# Altium PCB Generic_PCB.PcbDoc (part 1 of 2)
Units mm, origin at the board's own origin, x right, y up, seen from the top; angles counter-clockwise.
Board outline 112.55 x 100 mm, 4 copper layers (Component Side, Ground Plane, Power Plane, Solder Side), stack 0.844 mm thick; 115 components, 86 nets, 591 pads, 337 vias.
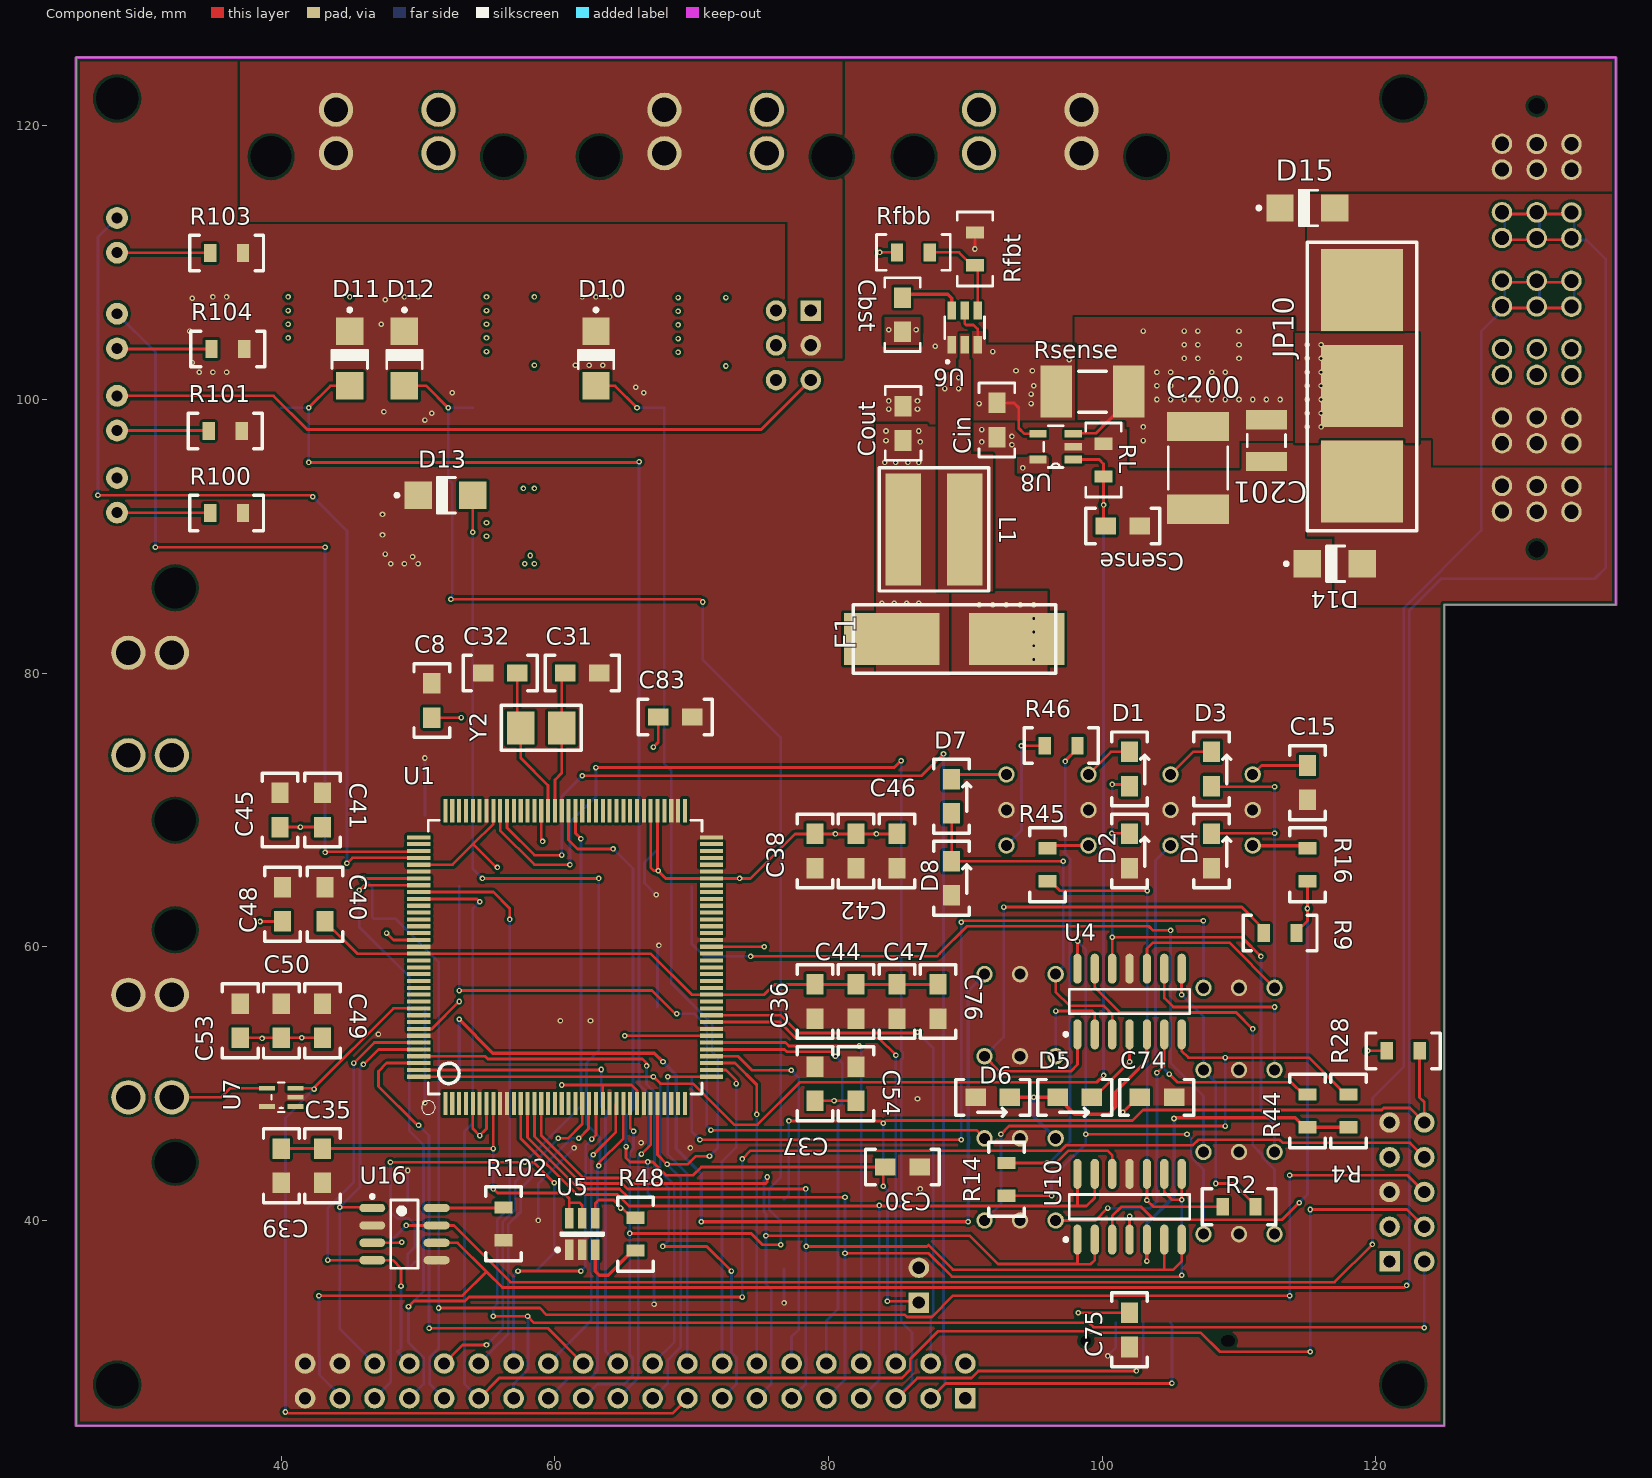
[diagram p0: Component Side view]
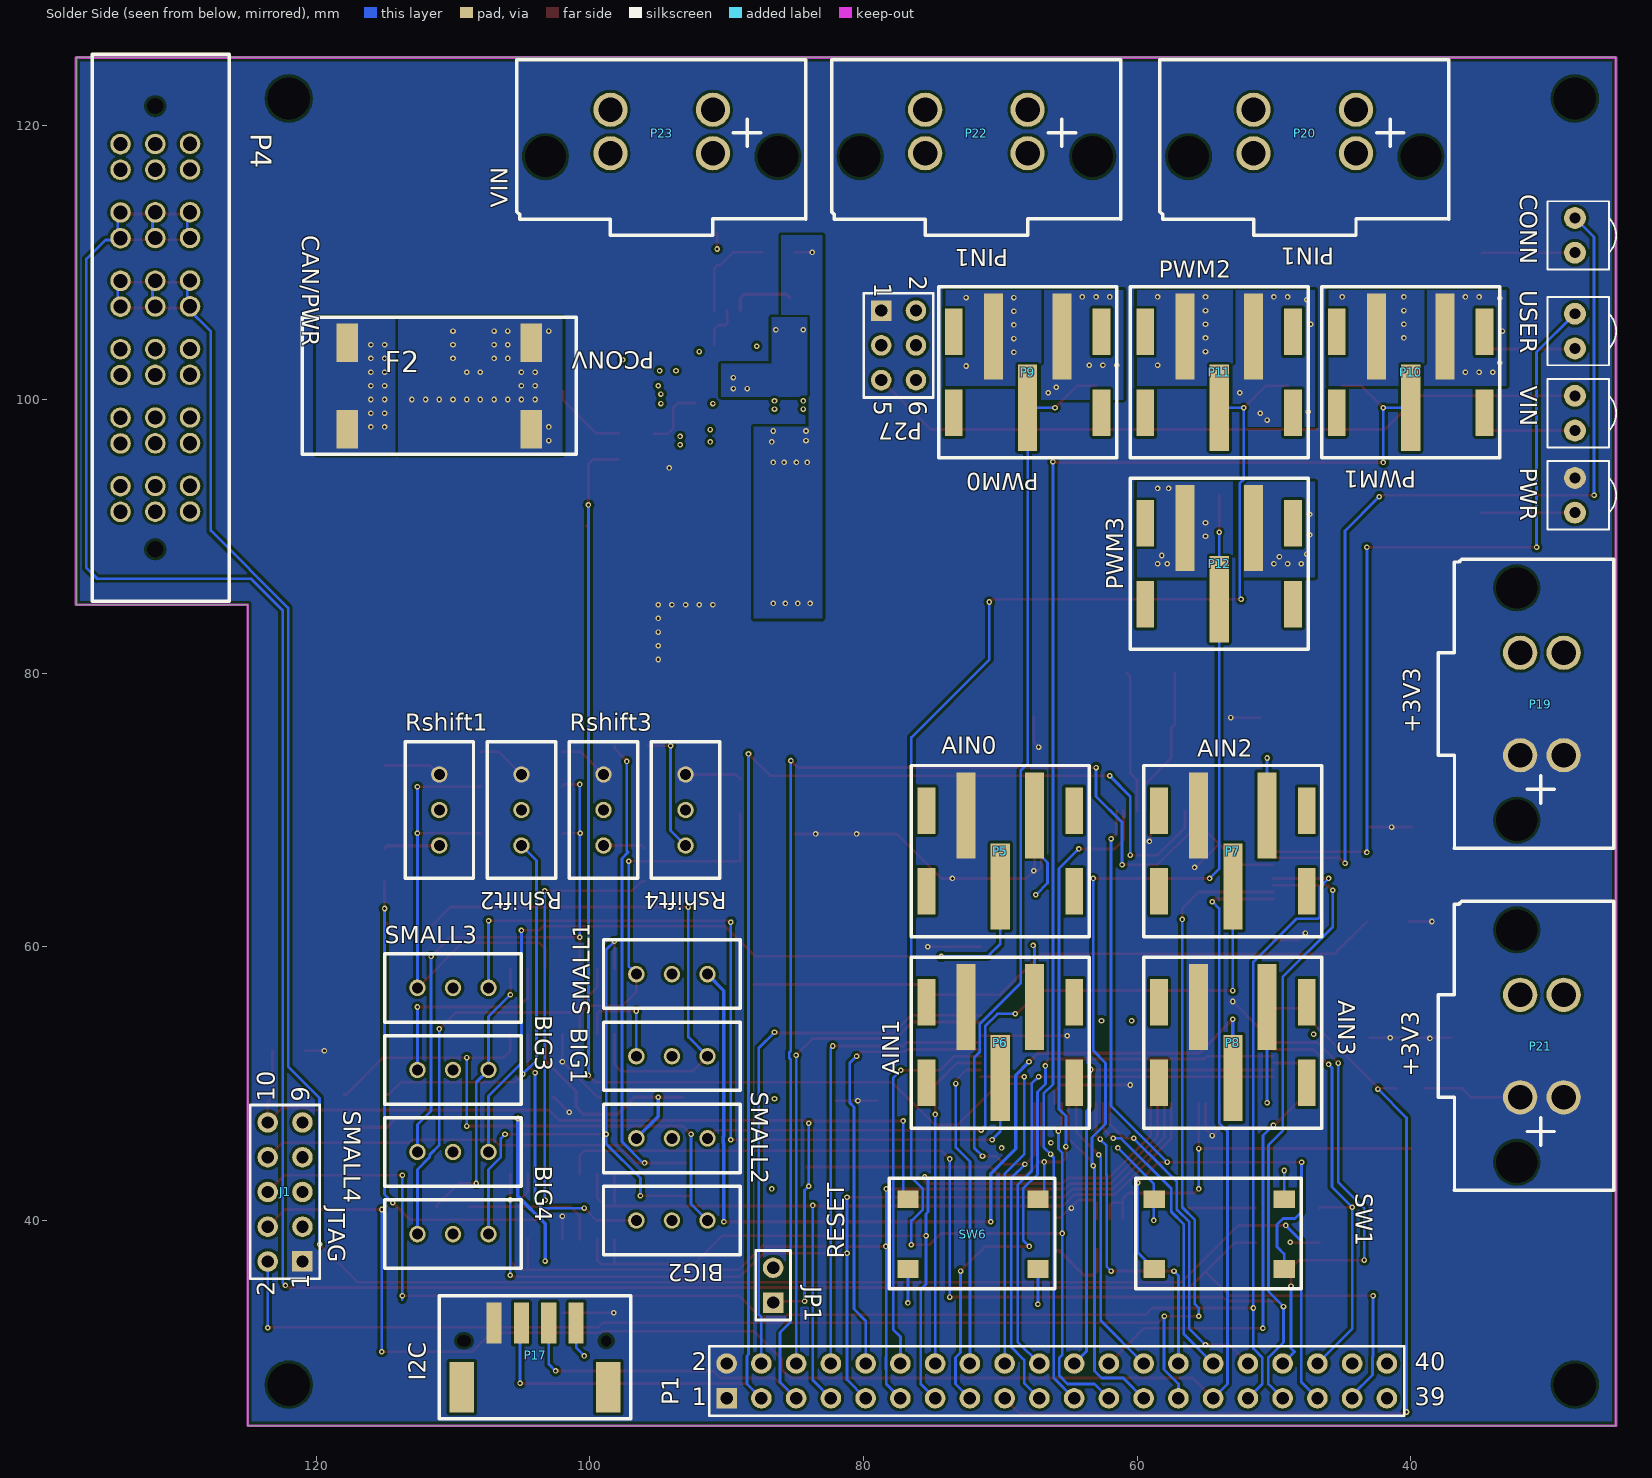
[diagram p1: Solder Side view, seen from below]
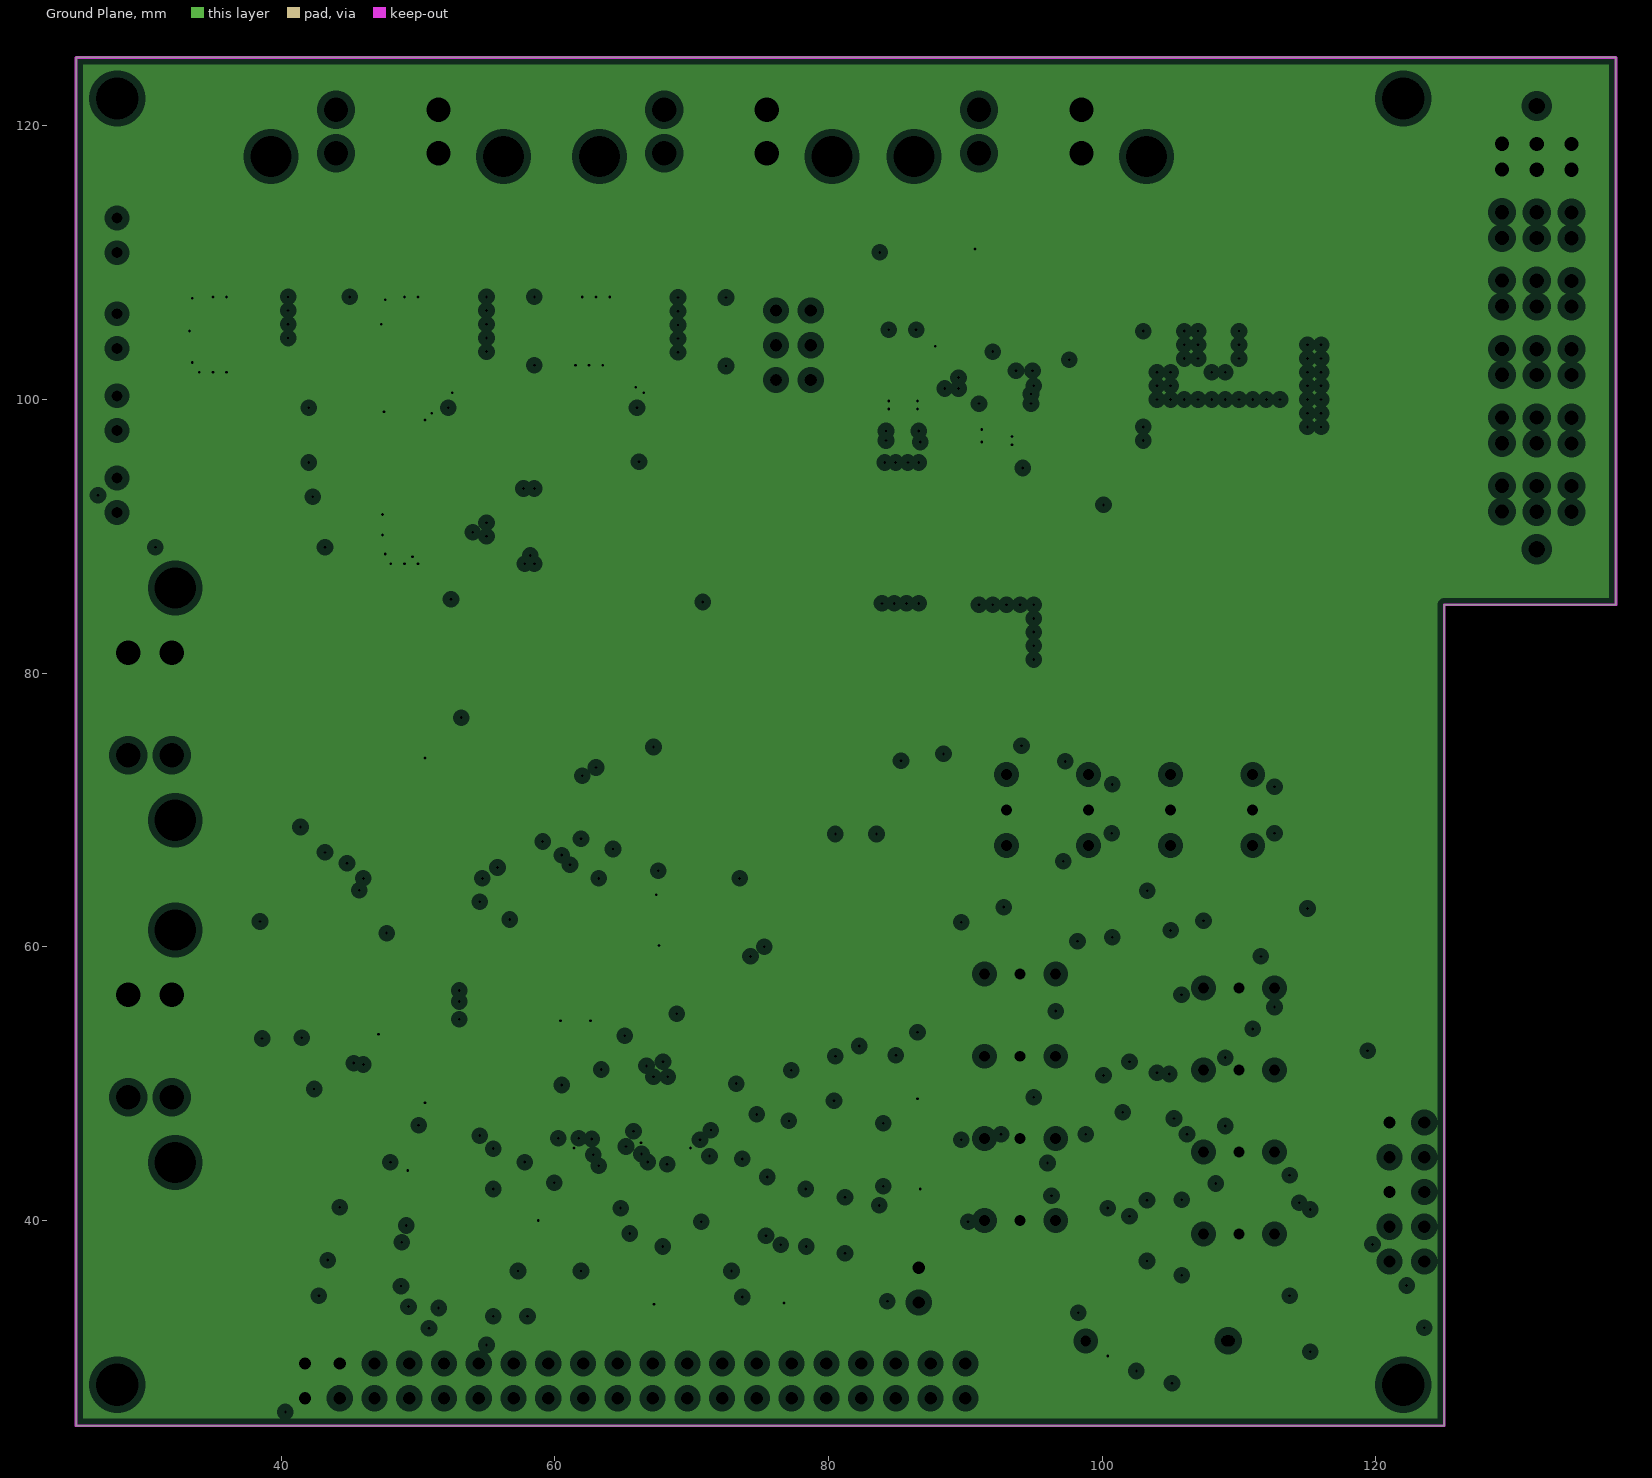
[diagram p2: Ground Plane, clearances drawn from the general rule]
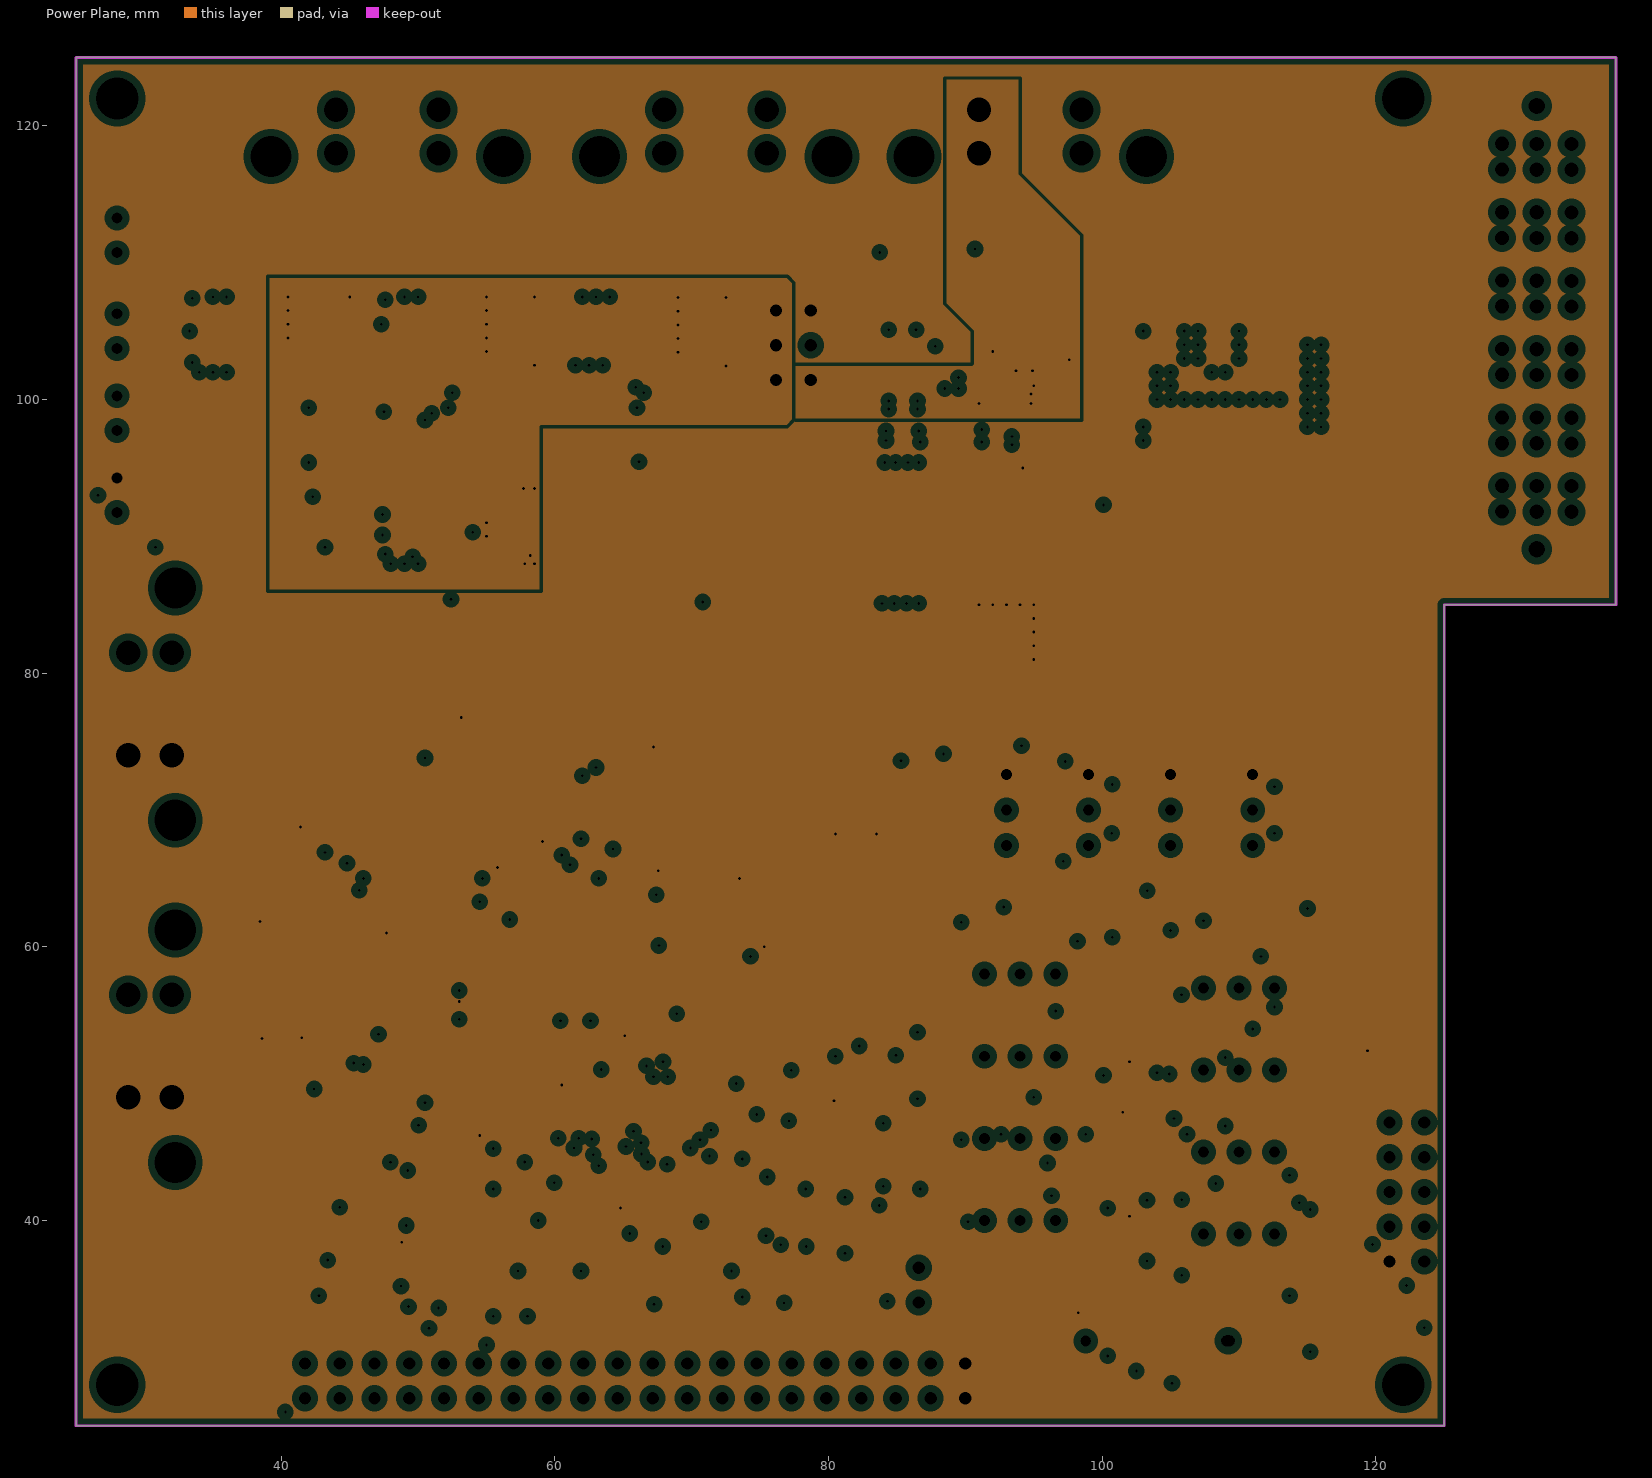
[diagram p3: Power Plane, clearances drawn from the general rule]

## Layer stack, top to bottom
Top Solder: solder mask 0.0102, Solder Resist, Dk 3.5
Component Side: signal copper 0.0356
Dielectric 1: core 0.32, FR-4, Dk 4.8
Ground Plane: plane copper 0.036, net GND
Dielectric 3: prepreg 0.127, Dk 4.2
Power Plane: plane copper 0.036, net (Multiple Nets)
Dielectric 4: core 0.254, Dk 4.2
Solder Side: signal copper 0.0356
Bottom Solder: solder mask 0.0102, Solder Resist, Dk 3.5

## Board outline
25,25 25,125 137.55,125 137.55,85 125,85 125,25

## Design rules (kind name [scope] priority, off if disabled: settings)
Clearance [All] p1: gap=0.2 ignorepadtopadclearanceinfootprint=FALSE except(0: Arc-Hole Track-Hole SMDPad-Hole THPad-Hole Via-Text Via-Hole Fill-Hole Poly-Hole Region-Hole Text-Hole)
PlaneClearance [All] p1: clearance=0.508
PlaneConnect [All] p1: planeconnectstyle=Direct reliefexpansion=0.508 reliefentries=4 reliefconductorwidth=0.254 reliefairgap=0.254
PolygonConnect [All] p1: connectstyle=Direct reliefconductorwidth=0.254 reliefentries=4 polygonreliefangle="90 Angle" airgapwidth=0.254
RoutingVias [All] p1: holewidth=0.381 width=0.635 viastyle="Through Hole" minholewidth=0.203 minwidth=0.356 maxholewidth=0.711 maxwidth=1.27
SolderMaskExpansion [All] p1: expansion=0.102
Width [All] p1: maxlimit=5 minlimit=0.2 preferedwidth=0.2
28 further rules are at their usual default settings.

## Classes and differential pairs
component class Power: C15 C30 C31 C32 C35 C36 C37 C38 C39 C40 C41 C42 C44 C45 C46 C47 C48 C49 C50 C53 C54 C76 C200 C201 Csense F2 JP1 JP10 PWR R28 R48 R100 R101 RL Rsense SW6 U5 U8 VIN Y2
component class 2017-02-03_03-50-161: Cbst Cin Cout F1 L1 Rfbb Rfbt U6
component class Micro_And_Handling: C83 CONN D14 D15 J1 P1 P4 R102 R103 R104 SW1 U1 U16 USER
component class Sensors: BIG1 BIG2 BIG3 BIG4 C8 C74 C75 D1 D2 D3 D4 D5 D6 D7 D8 R2 R4 R9 R14 R16 R44 R45 R46 Rshift1 Rshift2 Rshift3 Rshift4 SMALL1 SMALL2 SMALL3 SMALL4 U4 U7 U10
component class "Plugs and Stuff": D10 D11 D12 D13 P5 P6 P7 P8 P9 P10 P11 P12 P17 P19 P20 P21 P22 P23 P27
net class PH[0..7]: PH0 PH1 PH2 PH3 PH4 PH5 PH6 PH7

## Components (designator, comment, footprint, x,y, rotation, side; value= is the part's Value field where it differs from the comment)
BIG1 "1-1623849-0" "4290 SERIES TRIMMER" 94,52 r180 bottom
BIG2 "1-1623849-0" "4290 SERIES TRIMMER" 94,40 r180 bottom
BIG3 "1-1623849-0" "4290 SERIES TRIMMER" 110,51 r180 bottom
BIG4 "1-1623849-0" "4290 SERIES TRIMMER" 110,39 r180 bottom
C8 "0805 MLCC - NP0, 5%" "0805 Cap" 51,78 r90 top value=0.1uF
C15 "0805 MLCC - NP0, 5%" "0805 Cap" 115,72 r270 top value=0.47uF
C30 "OMIT" "0805 Cap" 85.4,43.9 r0 top value=0.1uF
C31 "0805 Cap" "0805 Cap" 62,80 r0 top value=10pF
C32 "0805 Cap" "0805 Cap" 56,80 r180 top value=10pF
C35 "0805 Cap" "0805 Cap" 43,44 r270 top value=0.1uF
C36 "0805 Cap" "0805 Cap" 79,56 r270 top value=0.1uF
C37 "0805 Cap" "0805 Cap" 79,50 r90 top value=0.01uF
C38 "0805 Cap" "0805 Cap" 79,67 r270 top value=0.01uF
C39 "0805 Cap" "0805 Cap" 40,44 r270 top value=0.01uF
C40 "0805 Cap" "0805 Cap" 43.2,63.1 r90 top value=0.1uF
C41 "0805 Cap" "0805 Cap" 43,70 r90 top value=0.01uF
C42 "0805 Cap" "0805 Cap" 82,67 r270 top value=0.1uF
C44 "0805 Cap" "0805 Cap" 82,56 r270 top value=1uF
C45 "0805 Cap" "0805 Cap" 39.9,70 r90 top value=0.1uF
C46 "0805 Cap" "0805 Cap" 85,67 r270 top value=0.1uF
C47 "0805 Cap" "0805 Cap" 85,56 r270 top value=1uF
C48 "0805 Cap" "0805 Cap" 40.1,63.1 r90 top value=0.1uF
C49 "0805 Cap" "0805 Cap" 43,54.6 r90 top value=0.1uF
C50 "0805 Cap" "0805 Cap" 40,54.6 r90 top value=0.1uF
C53 "0805 Cap" "0805 Cap" 37,54.6 r90 top value=1uF
C54 "0805 Cap" "0805 Cap" 82,50 r90 top value=1uF
C74 "0805 MLCC - NP0, 5%" "0805 Cap" 104,49 r180 top value=0.1uF
C75 "0805 Cap" "0805 Cap" 102,32 r90 top value=100nF
C76 "0805 Cap" "0805 Cap" 88,56 r270 top value=1uF
C83 "" "0805 Cap" 68.8,76.8 r0 top value=0.1uF
C200 "TPSD107M020R0085" CAPC7344X31N 107,95 r90 top
C201 "T491B106M020AT" CAPC3528X21N 112,97 r90 top
Cbst "0805 Cap" "0805 Cap" 85.4,106.205 r270 top value=100nF
Cin "0805 Cap" "0805 Cap" 92.3,98.503 r270 top value=22uF